# KiCad board TRX055.01.01.PB.00.00.kicad_pcb (continued)
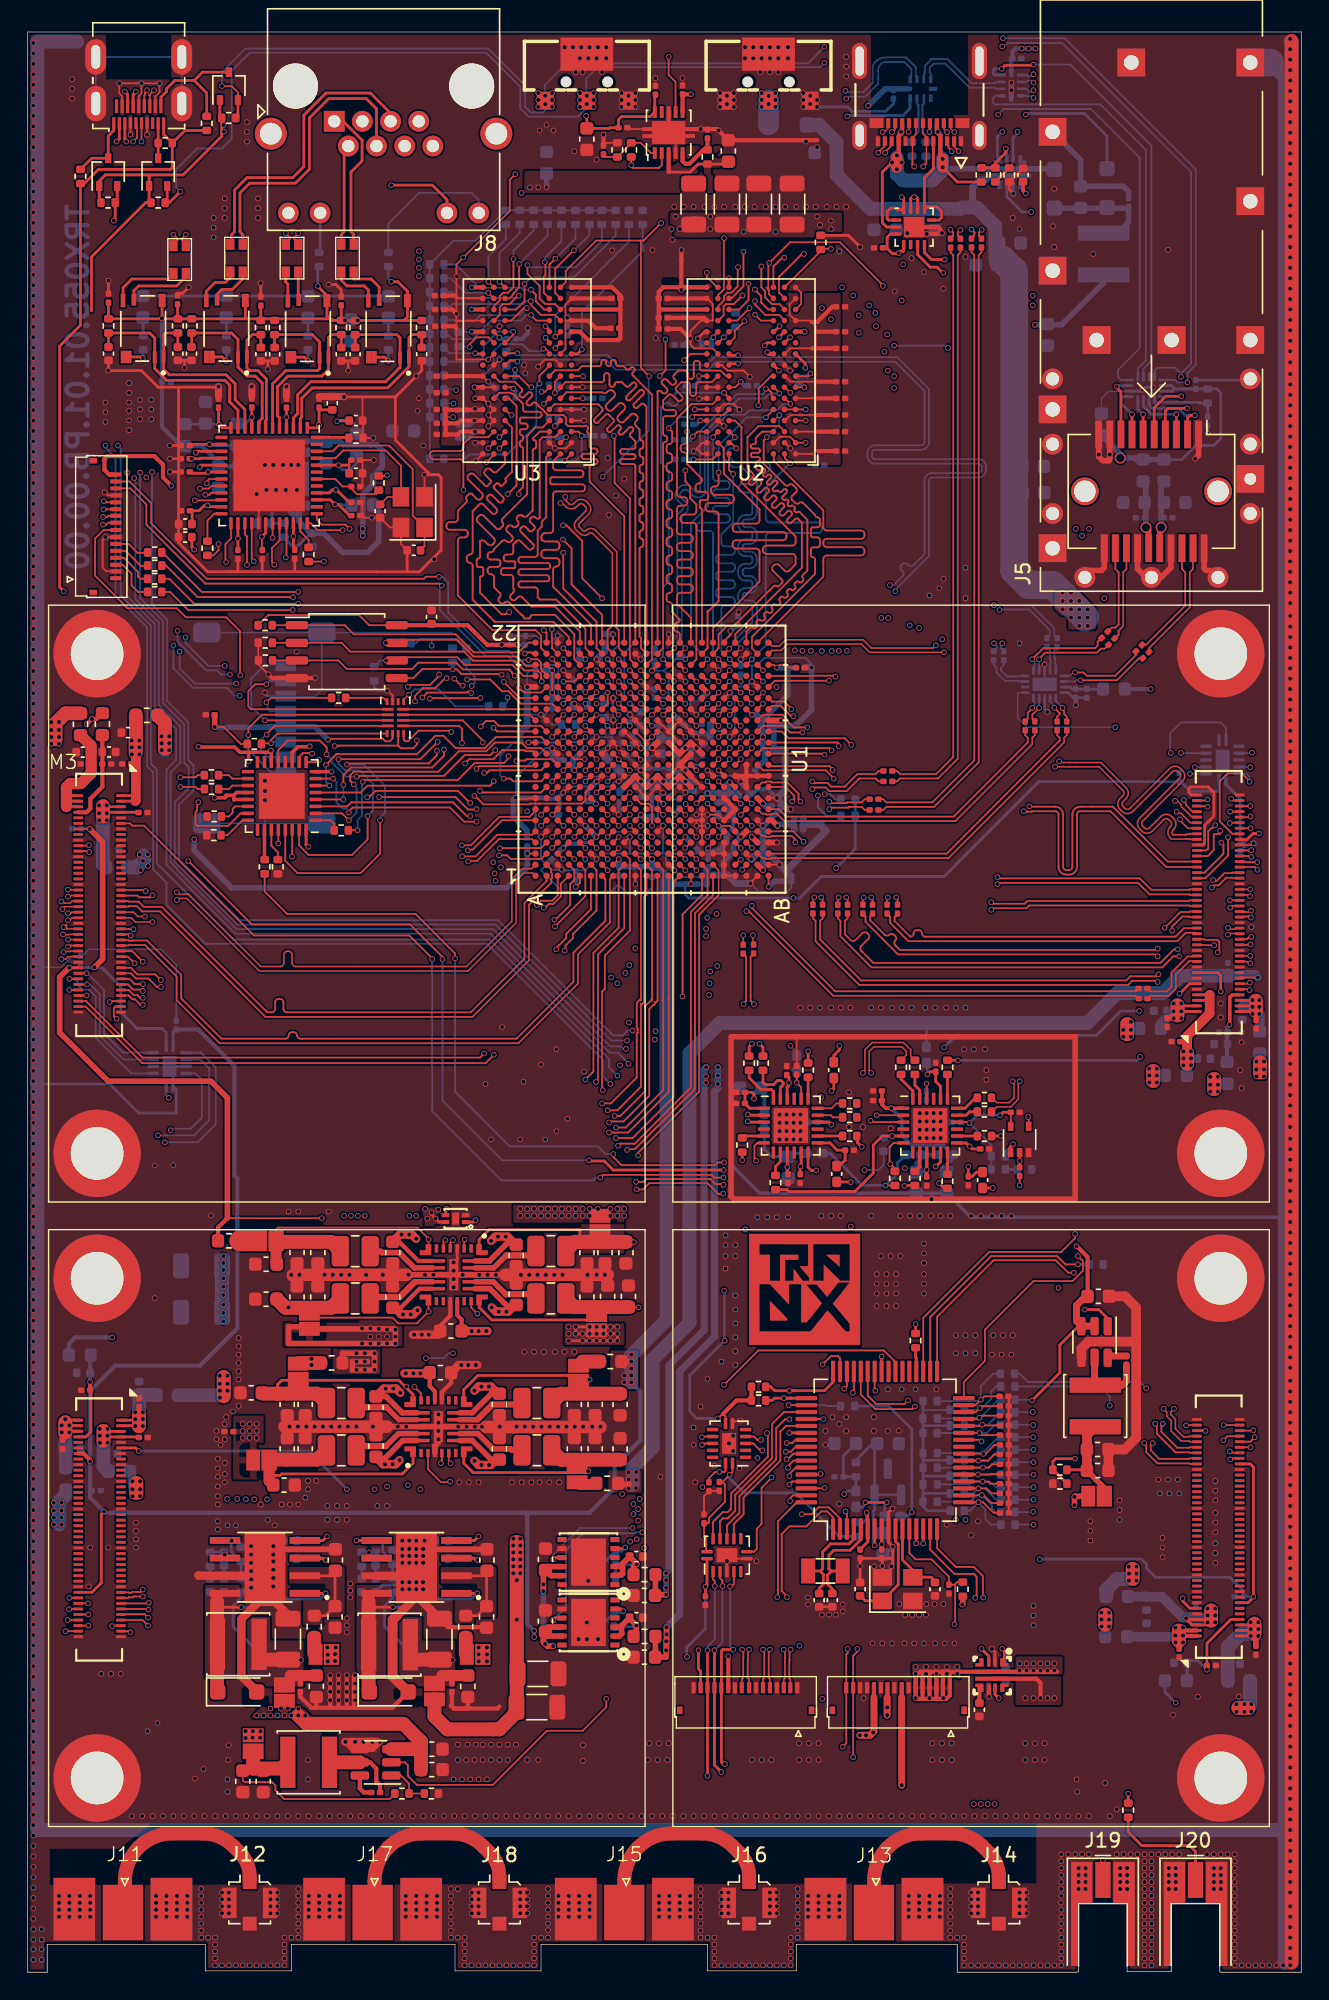
[diagram p0: board, top side]
## Nets
+1V2: C244.1 FB37.1 R5.1 U8.2 U8.3
+1V8: C25.1 C26.1 C27.1 C57.1 C58.1 C59.1 C60.1 C127.1 C128.1 C129.1 C130.1 C247.1 C248.1 C293.1 FB6.1 FB43.2 J10.16 JP4.2 R12.1 R69.1 R146.2 R151.2 R153.2 R155.2 R156.2 R157.1 R158.1 U1.A13 U1.B10 U1.B20 U1.C17 U1.D14 U1.E11 U1.K14 U1.L13 U1.M14 U1.P14 U1.R11 U5.10 U5.11 U8.10 U8.11 U10.15 U11.16 U11.34 U11.40 U12.8 U12.11 U12.14 U12.28 U12.30 U12.32 U14.8 U24.1 U33.8 U33.14
+3V3: C153.1 C154.1 C226.1 C231.1 C232.1 C273.1 C275.2 C276.2 C277.2 C278.2 C288.1 FB4.2 FB34.2 FB35.2 FB40.2 FB42.2 J6.4 JP7.2 Q1.1 Q2.1 Q3.1 R95.1 R103.1 R104.1 R106.1 R154.2 U9.10 U10.14 U12.20 U12.21 U12.23 U15.10 U20.10 U22.14 U22.15 U25.3 U25.4 U31.9 U31.10 U31.11
/Clocking/VDD_13F: C319.1 FB44.1 U13.20
/Clocking/VDD_18F: C318.1 FB43.1 U16.13
/Clocking/VDD_34F: C317.1 C320.1 FB41.1 U13.13 U16.20
/Clocking/VDD_35F: C321.1 FB45.1 U13.11
/Clocking/VDD_DIFF: C308.1 C309.1 C315.1 C316.1 C322.1 C383.2 FB42.1 R165.1 R166.1 U13.16 U13.22 U16.11 U16.16 U16.22 U28.5
/Main_Power/TPS5430DD_DCDC1/VIN: FB39.1 JP11.2
/Main_Power/TPS5430DD_DCDC/VIN: FB36.1 JP10.2
/ZynqPower/1V5_RAIL_A: FB7.1 JP8.2
/ZynqPower/VCCADC: C184.1 C185.1 FB11.2 U1.K12
/ZynqPower/VCCAUX: C36.1 C37.1 C38.1 C39.1 FB11.1 U1.N13 U1.P12 U1.R13 U1.T12 U24.4
/ZynqPower/VCCO_RAIL_A: FB9.1 JP5.2
/ZynqPower/VCCO_RAIL_B: FB8.1 JP6.2
/ZynqPower/VCCO_RAIL_C: FB10.1 JP1.2
/ZynqPower/VCCPLL: C50.1 FB6.2 U1.G13
AVDDH: C124.1 C125.1 C126.1 C325.1 FB3.1 U11.1 U11.12
AVDDL: C114.1 C115.1 C116.1 FB1.1 FB5.2 U11.4 U11.9
AVDDL_PLL: C112.1 C113.1 FB5.1 U11.44
DVDDL: C117.1 C118.1 C119.1 C120.1 C121.1 C122.1 C123.1 FB1.2 FB2.1 U11.14 U11.18 U11.23 U11.26 U11.30 U11.39
GND: C1.2 C2.2 C3.2 C4.2 C5.2 C6.2 C7.2 C8.2 C9.2 C10.2 C11.2 C12.2 C13.2 C14.2 C15.2 C16.2 C17.2 C18.2 C19.2 C20.2 C21.2 C22.2 C23.2 C24.2 C25.2 C26.2 C27.2 C28.2 C29.2 C30.2 C31.2 C32.2 C33.2 C34.2 C35.2 C36.2 C37.2 C38.2 C39.2 C40.2 C41.2 C42.2 C43.2 C44.2 C45.2 C46.2 C47.2 C48.2 C49.2 C50.2 C51.2 C52.2 C53.2 C54.2 C55.2 C56.2 C57.2 C58.2 C59.2 C60.2 C61.2 C62.2 C63.2 C64.2 C65.2 C66.2 C67.2 C68.2 C69.2 C70.2 C71.2 C72.2 C73.2 C74.2 C75.2 C76.2 C77.2 C78.2 C79.2 C80.2 C81.2 C82.2 C83.2 C84.2 C85.2 C86.2 C87.2 C108.2 C109.2 C110.2 C111.2 C112.2 C113.2 C114.2 C115.2 C116.2 C117.2 C118.2 C119.2 C120.2 C121.2 C122.2 C123.2 C124.2 C125.2 C126.2 C127.2 C128.2 C129.2 C130.2 C131.2 C132.2 C133.2 C135.2 C136.2 C137.2 C139.2 C140.2 C141.2 C143.2 C144.2 C145.2 C147.2 C148.2 C149.2 C150.2 C151.2 C152.2 C153.2 C154.2 C155.2 C156.2 C157.2 C158.2 C159.2 C160.2 C161.2 C162.2 C163.2 C164.2 C165.2 C166.2 C167.2 C168.2 C169.2 C170.2 C171.2 C172.2 C173.2 C174.2 C175.2 C176.2 C177.2 C178.2 C179.2 C180.2 C181.2 C182.2 C183.2 C184.2 C185.2 C186.2 C187.2 C188.2 C189.2 C190.2 C191.2 C192.2 C193.2 C194.2 C195.2 C196.2 C197.2 C198.2 C199.2 C200.2 C201.2 C202.2 C203.2 C204.2 C205.2 C206.2 C207.2 C208.2 C209.2 C210.2 C211.2 C212.2 C213.2 C214.2 C215.2 C216.2 C217.2 C218.2 C219.2 C220.2 C221.2 C222.2 C223.2 C224.2 C225.2 C226.2 C227.2 C228.2 C229.2 C230.2 C231.2 C232.2 C233.2 C234.2 C236.2 C238.2 C239.2 C240.2 C241.2 C242.2 C243.2 C244.2 C245.2 C246.2 C247.2 C248.2 C249.2 C250.2 C251.2 C252.2 C255.2 C256.2 C257.2 C258.2 C271.2 C272.2 C273.2 C274.2 C275.1 C276.1 C277.1 C278.1 C279.2 C280.2 C282.2 C283.2 C284.2 C285.2 C286.2 C287.1 C288.2 C289.2 C290.2 C291.2 C292.2 C293.2 C294.2 C295.2 C296.2 C297.2 C298.2 C299.2 C300.2 C301.2 C302.2 C303.2 C304.2 C305.2 C306.2 C307.2 C308.2 C309.2 C310.2 C311.2 C313.2 C314.2 C315.2 C316.2 C317.2 C318.2 C319.2 C320.2 C321.2 C322.2 C323.2 C324.2 C325.2 C326.2 C327.2 C328.2 C329.2 C330.2 C331.2 C332.2 C333.2 C334.2 C335.2 C336.2 C337.2 C338.2 C339.2 C340.2 C341.2 C342.2 C343.2 C344.2 C345.2 C346.2 C347.2 C348.2 C349.2 C350.2 C351.2 C352.2 C353.2 C354.2 C355.2 C356.2 C357.2 C358.2 C359.2 C360.2 C361.2 C362.2 C363.2 C364.2 C365.2 C366.2 C367.2 C368.2 C369.2 C370.2 C371.2 C372.2 C373.2 C374.2 C375.2 C376.2 C377.2 C378.2 C379.2 C380.2 C381.2 C383.1 C391.2 C395.2 C396.2 C397.2 D3.2 D4.2 J5.1 J5.9 J5.10 J5.11 J5.14 J5.17 J5.20 J5.CAGE J6.6 J6.9 J7.4 J7.7 J7.10 J7.13 J7.16 J7.SH J9.A1 J9.A12 J9.B1 J9.B12 J9.SH1 J9.SH2 J9.SH3 J9.SH4 J10.2 J10.7 J10.13 J11.2 J12.2 J13.2 J14.2 J15.2 J16.2 J17.2 J18.2 J19.2 J20.2 J21.1 J21.3 J21.4 J22.1 J22.4 J23.1 J23.4 J23.7 J23.10 J23.16 J24.7 J24.9 J24.11 J24.13 J24.14 M1.9 M1.13 M1.17 M1.18 M1.23 M1.24 M1.33 M1.34 M1.47 M1.48 M1.61 M1.62 M1.79 M1.80 M1.SH0 M1.SH1 M2.9 M2.13 M2.17 M2.18 M2.23 M2.24 M2.33 M2.34 M2.47 M2.48 M2.61 M2.62 M2.79 M2.80 M2.SH0 M2.SH1 M3.9 M3.13 M3.17 M3.18 M3.23 M3.24 M3.33 M3.34 M3.47 M3.48 M3.61 M3.62 M3.79 M3.80 M3.SH0 M3.SH1 M4.9 M4.13 M4.17 M4.18 M4.23 M4.24 M4.33 M4.34 M4.47 M4.48 M4.61 M4.62 M4.79 M4.80 M4.SH0 M4.SH1 R1.2 R3.2 R6.2 R8.2 R29.1 R49.2 R50.1 R51.1 R52.1 R54.1 R70.2 R72.2 R89.1 R91.2 R94.2 R96.2 R97.2 R100.2 R108.2 R112.2 R114.2 R116.2 R118.2 R120.2 R122.2 R124.2 R126.2 R128.2 R130.2 R132.2 R134.2 R136.2 R138.2 R140.2 R147.1 R148.1 R149.1 R150.1 R152.2 R159.1 R164.2 U1.A8 U1.A18 U1.AA1 U1.AA6 U1.AA10 U1.AA18 U1.AB2 U1.AB4 U1.AB8 U1.AB10 U1.AB15 U1.B5 U1.B15 U1.C2 U1.C12 U1.C22 U1.D9 U1.D19 U1.E6 U1.E16 U1.F3 U1.F13 U1.G10 U1.G12 U1.G20 U1.H7 U1.H13 U1.H15 U1.H17 U1.J4 U1.J10 U1.J12 U1.J14 U1.K1 U1.K9 U1.K11 U1.K13 U1.K15 U1.K21 U1.L8 U1.L10 U1.L11 U1.L14 U1.L18 U1.M5 U1.M9 U1.M12 U1.M13 U1.M15 U1.N2 U1.N10 U1.N14 U1.N22 U1.P9 U1.P11 U1.P13 U1.P15 U1.P19 U1.R6 U1.R10 U1.R12 U1.R14 U1.R16 U1.T3 U1.T4 U1.T5 U1.T6 U1.T7 U1.T9 U1.T13 U1.U3 U1.U10 U1.U20 U1.V1 U1.V2 U1.V3 U1.V4 U1.V6 U1.V8 U1.V17 U1.W1 U1.W7 U1.W10 U1.W14 U1.Y1 U1.Y3 U1.Y5 U1.Y9 U1.Y10 U1.Y11 U1.Y21 U2.A9 U2.B1 U2.B3 U2.B9 U2.D1 U2.D8 U2.E1 U2.E2 U2.E8 U2.F9 U2.G1 U2.G8 U2.G9 U2.J2 U2.J8 U2.M1 U2.M9 U2.P1 U2.P9 U2.T1 U2.T9 U3.A9 U3.B1 U3.B3 U3.B9 U3.D1 U3.D8 U3.E1 U3.E2 U3.E8 U3.F9 U3.G1 U3.G8 U3.G9 U3.J2 U3.J8 U3.M1 U3.M9 U3.P1 U3.P9 U3.T1 U3.T9 U4.4 U4.11 U4.17 U4.24 U4.27 U5.8 U5.13 U6.4 U6.11 U6.17 U6.24 U6.27 U7.7 U7.9 U8.8 U8.13 U9.5 U10.7 U11.29 U11.49 U12.33 U13.25 U14.4 U15.4 U15.8 U15.11 U16.25 U17.9 U18.3 U19.4 U19.7 U19.15 U20.5 U20.6 U21.4 U22.6 U23.4 U23.7 U23.15 U24.2 U24.5 U25.8 U25.9 U25.15 U26.3 U26.7 U26.12 U26.18 U26.19 U27.8 U28.3 U29.2 U29.8 U30.4 U31.8 U31.13 U32.4 U32.7 U32.15 U33.7 U33.15 U34.7 U34.9 Y1.2 Y1.4 Y2.2 Y2.4
GND_ETH: C134.2 C138.2 C142.2 C146.2
VCCIO_13: C82.1 C83.1 C84.1 C85.1 C86.1 C87.1 C218.1 C222.1 FB9.2 FB44.2 M1.14 M1.64 U1.AA13 U1.AB20 U1.T18 U1.U15 U1.V12 U1.W19 U1.Y16 U19.14
VCCIO_34: C76.1 C77.1 C78.1 C79.1 C80.1 C81.1 C219.1 C221.1 C223.1 C225.1 C290.1 FB8.2 FB41.2 J23.11 M2.14 M2.64 M4.14 M4.64 U1.H2 U1.K6 U1.L3 U1.N7 U1.P4 U1.R1 U19.1 U23.1 U32.1
VCCIO_35: C70.1 C71.1 C72.1 C73.1 C74.1 C75.1 C220.1 C224.1 FB10.2 FB45.2 M3.14 M3.64 U1.A3 U1.C7 U1.D4 U1.E1 U1.F8 U1.G5 U23.14
VDD_1V8D: FB26.2 FB27.2 FB28.2 FB29.2 J24.8
VDD_1V_RAIL_A: C51.1 C52.1 C53.1 C54.1 C55.1 C56.1 JP2.2 U1.G15 U1.H14 U1.J15 U1.L15 U1.N15 U1.R15
VDD_1V_RAIL_B: C28.1 C29.1 C30.1 C31.1 C32.1 C33.1 C34.1 C35.1 JP3.2 U1.H12 U1.J9 U1.J11 U1.J13 U1.K10 U1.L9 U1.M10 U1.N9 U1.P10 U1.R9
VDD_3V3D: FB30.2 FB31.2 FB32.2 FB33.2 J24.12 JP14.2 R135.1
VDD_5V5A: C310.1 C311.1 C396.1 C397.1 FB18.2 FB19.2 FB20.2 FB21.2 J7.19 J24.10 JP9.2 R101.1 R102.1 R105.1 R133.1 U21.3
VDD_DDR: C61.1 C62.1 C63.1 C64.1 C65.1 C66.1 C67.1 C68.1 C69.1 C331.1 C332.1 C333.1 C334.1 C335.1 C336.1 C337.1 C338.1 C339.1 C340.1 C341.1 C342.1 C343.1 C344.1 C345.1 C346.1 C347.1 C348.1 C349.1 C350.1 C351.1 C352.1 C353.1 C354.1 C355.1 C356.1 C357.1 C358.1 C359.1 C360.1 C361.1 C362.1 C363.1 C364.1 C365.1 C366.1 C367.1 C368.1 C378.1 C379.1 C380.1 C381.1 FB7.2 R53.2 R71.1 U1.E21 U1.F18 U1.H22 U1.J19 U1.K16 U1.M20 U1.N17 U1.R21 U1.V22 U2.A1 U2.A8 U2.B2 U2.C1 U2.C9 U2.D2 U2.D9 U2.E9 U2.F1 U2.G7 U2.H2 U2.H9 U2.K2 U2.K8 U2.N1 U2.N9 U2.R1 U2.R9 U3.A1 U3.A8 U3.B2 U3.C1 U3.C9 U3.D2 U3.D9 U3.E9 U3.F1 U3.G7 U3.H2 U3.H9 U3.K2 U3.K8 U3.N1 U3.N9 U3.R1 U3.R9 U15.2
VDD_DVDDL: C289.1 FB2.2 R107.1 U31.2 U31.3
VDD_MAIN_PWR: C369.1 C370.1 C371.1 C372.1 C373.1 C374.1 C375.1 C376.1 C377.1 D2.1 J24.1 J24.2 J24.3 J24.4 J24.5 J24.6 JP10.1 JP11.1 R129.1 U27.6 U29.5
VDD_MCU: C291.1 C292.1 FB16.1 JP13.2 R109.1 R110.1 R143.1 U32.14 U33.1
VDD_PORT: C133.1 C137.1 C141.1 C145.1 C178.1 C324.1 C326.1 FB3.2 FB4.1 R55.1 R58.1 R60.1 R61.1 R63.1 R64.1 R66.1 R67.1 R160.1 R161.1 T1.5 T2.5 T3.5 T4.5
VDD_SYSTEM: FB22.2 FB23.2 FB24.2 FB25.2 U29.6
VDD_VTT: C148.1 C149.1 C150.1 R9.2 R10.2 R11.2 R13.2 R15.2 R16.2 R30.2 R31.2 R32.2 R33.2 R34.2 R35.2 R36.2 R37.2 R38.2 R39.2 R40.2 R41.2 R42.2 R43.2 R44.2 R45.2 R46.2 R47.2 R73.2 U15.3
/A1_HS1_CLK_N: M1.22 U1.AA14
/A1_HS1_CLK_P: M1.20 U1.AA15
/A1_HS_4_N: M1.36 U1.AA11
/A1_HS_4_P: M1.38 U1.AB11
/A1_HS_5_N: M1.35 U1.V11
/A1_HS_5_P: M1.37 U1.W11
/A1_HS_6_N: M1.40 U1.W12
/A1_HS_6_P: M1.42 U1.W13
/A1_HS_7_N: M1.39 U1.AB12
/A1_HS_7_P: M1.41 U1.AA12
/A1_HS_8_N: M1.44 U1.AB13
/A1_HS_8_P: M1.46 U1.AB14
/A1_HS_9_N: M1.43 U1.Y12
/A1_HS_9_P: M1.45 U1.Y13
/A1_HS_10_N: M1.50 U1.V15
/A1_HS_10_P: M1.52 U1.W15
/A1_HS_11_N: M1.49 U1.AA17
/A1_HS_11_P: M1.51 U1.AA16
/A1_HS_12_N: M1.54 U1.V16
/A1_HS_12_P: M1.56 U1.W16
/A1_HS_13_N: M1.53 U1.W17
/A1_HS_13_P: M1.55 U1.Y17
/A1_HS_14_N: M1.58 U1.AB16
/A1_HS_14_P: M1.60 U1.AB17
/A1_HS_15_N: M1.57 U1.AB21
/A1_HS_15_P: M1.59 U1.AB22
/A1_HS_16_N: M1.65 U1.AB19
/A1_HS_16_P: M1.63 U1.AB18
/A1_HS_17_N: M1.69 U1.AA20
/A1_HS_17_P: M1.67 U1.AA19
/A1_HS_18_N: M1.73 U1.V19
/A1_HS_18_P: M1.71 U1.U19
/A1_LS_GPIO_0: M1.72 U1.U12
/A1_LS_GPIO_1: M1.74 U1.V14
/A1_LS_GPIO_2: M1.76 U1.T16
/A1_LS_GPIO_3: M1.78 U1.U16
/A1_SPI_EN: U1.M8 U19.8
/A2_HS0_CLK_N: M2.21
/A2_HS0_CLK_P: M2.19
/A2_HS1_CLK_N: M2.22
/A2_HS1_CLK_P: M2.20
/A2_HS_0_N: M2.26
/A2_HS_0_P: M2.28
/A2_HS_1_N: M2.25
/A2_HS_1_P: M2.27
/A2_HS_2_N: M2.30
/A2_HS_2_P: M2.32
/A2_HS_3_N: M2.29
/A2_HS_3_P: M2.31
/A2_HS_4_N: M2.36
/A2_HS_4_P: M2.38
/A2_HS_5_N: M2.35
/A2_HS_5_P: M2.37
/A2_HS_6_N: M2.40
/A2_HS_6_P: M2.42
/A2_HS_7_N: M2.39
/A2_HS_7_P: M2.41
/A2_HS_8_N: M2.44
/A2_HS_8_P: M2.46
/A2_HS_9_N: M2.43
/A2_HS_9_P: M2.45
/A2_HS_10_N: M2.50
/A2_HS_10_P: M2.52
/A2_HS_11_N: M2.49
/A2_HS_11_P: M2.51
/A2_HS_12_N: M2.54
/A2_HS_12_P: M2.56
/A2_HS_13_N: M2.53
/A2_HS_13_P: M2.55
/A2_HS_14_N: M2.58
/A2_HS_14_P: M2.60
/A2_HS_15_N: M2.57
/A2_HS_15_P: M2.59
/A2_HS_16_N: M2.65 U1.R3
/A2_HS_16_P: M2.63 U1.R2
/A2_HS_17_N: M2.69 U1.R5
/A2_HS_17_P: M2.67 U1.R4
/A2_HS_18_N: M2.73 U1.R7
/A2_HS_18_P: M2.71 U1.P7
/A2_LS_GPIO_0: M2.72 U1.J7
/A2_LS_GPIO_1: M2.74 U1.N6
/A2_LS_GPIO_2: M2.76 U1.N5
/A2_LS_GPIO_3: M2.78 U1.P6
/A3_HS0_CLK_N: M3.21
/A3_HS0_CLK_P: M3.19
/A3_HS1_CLK_N: M3.22 U1.C6
/A3_HS1_CLK_P: M3.20 U1.C5
/A3_HS_0_N: M3.26
/A3_HS_0_P: M3.28
/A3_HS_1_N: M3.25
/A3_HS_1_P: M3.27
/A3_HS_2_N: M3.30
/A3_HS_2_P: M3.32
/A3_HS_3_N: M3.29
/A3_HS_3_P: M3.31
/A3_HS_4_N: M3.36 U1.D5
/A3_HS_4_P: M3.38 U1.C4
/A3_HS_5_N: M3.35 U1.E5
/A3_HS_5_P: M3.37 U1.F5
/A3_HS_6_N: M3.40 U1.A2
/A3_HS_6_P: M3.42 U1.A1
/A3_HS_7_N: M3.39 U1.B1
/A3_HS_7_P: M3.41 U1.B2
/A3_HS_8_N: M3.44 U1.C1
/A3_HS_8_P: M3.46 U1.D1
/A3_HS_9_N: M3.43 U1.C3
/A3_HS_9_P: M3.45 U1.D3
/A3_HS_10_N: M3.50 U1.D2
/A3_HS_10_P: M3.52 U1.E2
/A3_HS_11_N: M3.49 U1.E4
/A3_HS_11_P: M3.51 U1.E3
/A3_HS_12_N: M3.54 U1.F1
/A3_HS_12_P: M3.56 U1.F2
/A3_HS_13_N: M3.53 U1.G1
/A3_HS_13_P: M3.55 U1.H1
/A3_HS_14_N: M3.58 U1.F4
/A3_HS_14_P: M3.60 U1.G4
/A3_HS_15_N: M3.57 U1.G2
/A3_HS_15_P: M3.59 U1.G3
/A3_HS_16_N: M3.65 U1.H4
/A3_HS_16_P: M3.63 U1.H3
/A3_HS_17_N: M3.69 U1.G6
/A3_HS_17_P: M3.67 U1.F6
/A3_HS_18_N: M3.73 U1.G8
/A3_HS_18_P: M3.71 U1.G7
/A3_LS_GPIO_0: M3.72 U1.H6
/A3_LS_GPIO_1: M3.74 U1.H5
/A3_LS_GPIO_2: M3.76 U1.D7
/A3_LS_GPIO_3: M3.78 U1.D6
/A3_SPI_EN: U1.K8 U23.8
/A4_HS0_CLK_N: M4.21
/A4_HS0_CLK_P: M4.19
/A4_HS1_CLK_N: M4.22
/A4_HS1_CLK_P: M4.20
/A4_HS_0_N: M4.26
/A4_HS_0_P: M4.28
/A4_HS_1_N: M4.25
/A4_HS_1_P: M4.27
/A4_HS_2_N: M4.30
/A4_HS_2_P: M4.32
/A4_HS_3_N: M4.29
/A4_HS_3_P: M4.31
/A4_HS_4_N: M4.36
/A4_HS_4_P: M4.38
/A4_HS_5_N: M4.35
/A4_HS_5_P: M4.37
/A4_HS_6_N: M4.40
/A4_HS_6_P: M4.42
/A4_HS_7_N: M4.39
/A4_HS_7_P: M4.41
/A4_HS_8_N: M4.44
/A4_HS_8_P: M4.46
/A4_HS_9_N: M4.43
/A4_HS_9_P: M4.45
/A4_HS_10_N: M4.50
/A4_HS_10_P: M4.52
/A4_HS_11_N: M4.49
/A4_HS_11_P: M4.51
/A4_HS_12_N: M4.54
/A4_HS_12_P: M4.56
/A4_HS_13_N: M4.53
/A4_HS_13_P: M4.55
/A4_HS_14_N: M4.58
/A4_HS_14_P: M4.60
/A4_HS_15_N: M4.57
/A4_HS_15_P: M4.59
/A4_HS_16_N: M4.65 U1.L2
/A4_HS_16_P: M4.63 U1.L1
/A4_HS_17_N: M4.69 U1.M2
/A4_HS_17_P: M4.67 U1.M1
/A4_HS_18_N: M4.73 U1.P1
/A4_HS_18_P: M4.71 U1.N1
/A4_LS_GPIO_0: M4.72 U1.K2
/A4_LS_GPIO_1: M4.74 U1.T2
/A4_LS_GPIO_2: M4.76 U1.U1
/A4_LS_GPIO_3: M4.78 U1.U2
/Clocking/CLK_PWR: FB13.1 FB14.1 R142.1
/Clocking/CLK_PWR_VBAT: R142.2 U13.6 U16.6
/Clocking/CLK_REF_IN: R87.2 R90.2
/Clocking/DIFF_A_CLK_1_N: R25.2
/Clocking/DIFF_A_CLK_1_P: R24.2
/Clocking/EXT_REF_EN: R166.2 U17.41 U28.1
/ETH_PHY_Metal/ETH_Pair1/MDI_IN_N: C135.1 R60.2 T2.2 U11.8
/ETH_PHY_Metal/ETH_Pair1/MDI_IN_P: C136.1 R61.2 T2.1 U11.7
/ETH_PHY_Metal/ETH_Pair1/MDI_N: J8.5 L10.2
/ETH_PHY_Metal/ETH_Pair1/MDI_P: J8.4 L10.3
/ETH_PHY_Metal/ETH_Pair1/POE: R62.1 T2.3 T2.4
/ETH_PHY_Metal/ETH_Pair2/MDI_IN_N: C139.1 R63.2 T3.2 U11.6
/ETH_PHY_Metal/ETH_Pair2/MDI_IN_P: C140.1 R64.2 T3.1 U11.5
/ETH_PHY_Metal/ETH_Pair2/MDI_N: J8.6 L11.2
/ETH_PHY_Metal/ETH_Pair2/MDI_P: J8.3 L11.3
/ETH_PHY_Metal/ETH_Pair2/POE: R65.1 T3.3 T3.4
/ETH_PHY_Metal/ETH_Pair3/MDI_IN_N: C143.1 R66.2 T4.2 U11.3
/ETH_PHY_Metal/ETH_Pair3/MDI_IN_P: C144.1 R67.2 T4.1 U11.2
/ETH_PHY_Metal/ETH_Pair3/MDI_N: J8.2 L12.2
/ETH_PHY_Metal/ETH_Pair3/MDI_P: J8.1 L12.3
/ETH_PHY_Metal/ETH_Pair3/POE: R68.1 T4.3 T4.4
/ETH_PHY_Metal/ETH_Pair/MDI_IN_N: C131.1 R55.2 T1.2 U11.11
/ETH_PHY_Metal/ETH_Pair/MDI_IN_P: C132.1 R58.2 T1.1 U11.10
/ETH_PHY_Metal/ETH_Pair/MDI_N: J8.8 L9.2
/ETH_PHY_Metal/ETH_Pair/MDI_P: J8.7 L9.3
/ETH_PHY_Metal/ETH_Pair/POE: R59.1 T1.3 T1.4
/ETH_PHY_Metal/nLED1: J8.11 U11.17
/ETH_PHY_Metal/nLED2: J8.9 U11.15
/ETH_PHY_Metal/SMI_MDC: U1.D13 U11.36
/ETH_PHY_Metal/SMI_MDIO: U1.C11 U11.37
/EXTIO_CLK_N: J23.9 U1.L4
/EXTIO_CLK_P: J23.8 U1.L5
/EXTIO_CS: J23.15 U1.K5
/EXTIO_D0_N: J23.6 U1.N3
/EXTIO_D0_P: J23.5 U1.N4
/EXTIO_D1_N: J23.3 U1.P2
/EXTIO_D1_P: J23.2 U1.P3
/FCCLK: U4.3 U6.3 U17.39
/FPGA_CLK_REF_0: R77.2 R163.2 U1.T1 U13.5
/FPGA_CLK_REF_1_N: R78.2 U1.K3
/FPGA_CLK_REF_1_P: R79.2 U1.K4
/GT_LANE0_SEL: U17.35 U26.6
/GT_RX0_N: C91.1 U26.5
/GT_RX0_P: C90.1 U26.4
/GT_RX1_N: C89.1 C269.1
/GT_RX1_P: C88.1 C270.1
/GT_RX2_N: C93.1 M1.29
/GT_RX2_P: C92.1 M1.31
/GT_RX3_N: C95.1 M1.30
/GT_RX3_P: C94.1 M1.32
/GT_TX0_N: C97.1 U26.2
/GT_TX0_P: C96.1 U26.1
/GT_TX1_N: C98.1 C268.1
/GT_TX1_P: C99.1 C267.1
/GT_TX2_N: C100.1 M1.25
/GT_TX2_P: C101.1 M1.27
/GT_TX3_N: C102.1 M1.26
/GT_TX3_P: C103.1 M1.28
/GTP_REF_CLK0_N: C106.1 M1.21
/GTP_REF_CLK0_P: C104.1 M1.19
/GTP_REF_CLK1_N: C105.1 R22.2
/GTP_REF_CLK1_P: C107.1 R23.2
/HDMI/HDMI_HPD: Q3.2 R106.2 U17.59
/Main_Power/BOOT_PWR: C286.1 C287.2 D1.1 D5.1 L16.1
/Main_Power/OVLO: R98.1 R99.1 U27.2
/Main_Power/TPS5430DD_DCDC1/FB: R93.2 R94.1 U7.5
/Main_Power/TPS5430DD_DCDC1/TPSSW: C253.2 D3.1 L13.1 U7.8
/Main_Power/TPS5430DD_DCDC1/TPSVIN: C249.1 C250.1 FB39.2 U7.2
/Main_Power/TPS5430DD_DCDC1/TPSVOUT: C256.1 C257.1 C258.1 JP12.1 L13.2 R93.1
/Main_Power/TPS5430DD_DCDC/FB: R2.2 R3.1 U34.5
/Main_Power/TPS5430DD_DCDC/TPSSW: C235.2 D4.1 L17.1 U34.8
/Main_Power/TPS5430DD_DCDC/TPSVIN: C233.1 C234.1 FB36.2 U34.2
/Main_Power/TPS5430DD_DCDC/TPSVOUT: C236.1 C238.1 C239.1 JP9.1 L17.2 R2.1
/MOD_A1_REFCLK: M1.11 R82.2
/MOD_A2_REFCLK: M2.11 R84.2
/MOD_A3_REFCLK: M3.11 R83.2
/MOD_A4_REFCLK: M4.11 R74.2
/Module_A1/MOD_SPI_MISO: M1.68 U19.10
/Module_A1/MOD_SPI_MOSI: M1.70 U19.12
/Module_A1/MOD_SPI_SCK: M1.66 U19.13
/Module_A1/MOD_VDD_1V8D: C202.1 C203.1 FB26.1 M1.8
/Module_A1/MOD_VDD_3V3: C210.1 C211.1 FB30.1 M1.5 M1.7
/Module_A1/MOD_VDD_SYSTEM: C194.1 C195.1 FB22.1 M1.2 M1.4 M1.6
/Module_A1/MOD_VDDA_5V5: C186.1 C187.1 FB18.1 M1.1 M1.3
/Module_A1/RefCLK1: M1.15
/Module_A2/APP_SPEC_A: M2.10
/Module_A2/APP_SPEC_B: M2.12
/Module_A2/MOD_VDD_1V8D: C204.1 C205.1 FB27.1 M2.8
/Module_A2/MOD_VDD_3V3: C212.1 C213.1 FB31.1 M2.5 M2.7
/Module_A2/MOD_VDD_SYSTEM: C196.1 C197.1 FB23.1 M2.2 M2.4 M2.6
/Module_A2/MOD_VDDA_5V5: C188.1 C189.1 FB19.1 M2.1 M2.3
/Module_A2/RefCLK1: M2.15
/Module_A3/APP_SPEC_A: M3.10
/Module_A3/APP_SPEC_B: M3.12
/Module_A3/MOD_SPI_MISO: M3.68 U23.10
/Module_A3/MOD_SPI_MOSI: M3.70 U23.12
/Module_A3/MOD_SPI_SCK: M3.66 U23.13
/Module_A3/MOD_VDD_1V8D: C206.1 C207.1 FB28.1 M3.8
/Module_A3/MOD_VDD_3V3: C214.1 C215.1 FB32.1 M3.5 M3.7
/Module_A3/MOD_VDD_SYSTEM: C198.1 C199.1 FB24.1 M3.2 M3.4 M3.6
/Module_A3/MOD_VDDA_5V5: C190.1 C191.1 FB20.1 M3.1 M3.3
/Module_A3/RefCLK1: M3.15
/Module_A4/APP_SPEC_A: M4.10
/Module_A4/APP_SPEC_B: M4.12
/Module_A4/MOD_VDD_1V8D: C208.1 C209.1 FB29.1 M4.8
/Module_A4/MOD_VDD_3V3: C216.1 C217.1 FB33.1 M4.5 M4.7
/Module_A4/MOD_VDD_SYSTEM: C200.1 C201.1 FB25.1 M4.2 M4.4 M4.6
/Module_A4/MOD_VDDA_5V5: C192.1 C193.1 FB21.1 M4.1 M4.3
/Module_A4/RefCLK1: M4.15
/PS_UART0_RX: J10.14 U1.G16
/PS_UART0_TX: J10.15 U1.B19
/PS_UART1_RX: U1.A17 U33.11
/PS_UART1_TX: U1.C18 U33.10
/PWR_3V3D_EN: U17.42 U21.2
/PWR_5V5A_EN: R1.1 U17.14 U34.3
/PWR_CORE_EN: R91.1 U7.3 U17.13
/PWR_MAIN_EN: R97.1 U17.34 U27.1
/PWR_MAIN_IMON: U17.32 U27.9
/PWR_MAIN_PG: U17.33 U27.3
/PWR_MP_EN: R96.1 U17.16 U29.1
/PWR_MP_IMON: U17.26 U29.9
/PWR_MP_PG: U17.15 U29.3
/SFP_Port/MOD_DEF0: J5.6 U22.4
/SFP_Port/MOD_RS: J5.7 U22.5
/SFP_Port/MOD_RX_DIS: J5.8 U22.7
/SFP_Port/MOD_TX_DIS: J5.3 U22.3
/SFP_Port/MOD_TX_FAULT: J5.2 U22.2
/SFP_Port/SFP_RX_N: C260.2 U26.10
/SFP_Port/SFP_RX_P: C259.2 U26.11
/SFP_Port/SFP_TX_N: C262.2 U26.16
/SFP_Port/SFP_TX_P: C261.2 U26.15
/SFP_Port/SFPI_RX_N: C260.1 J5.12
/SFP_Port/SFPI_RX_P: C259.1 J5.13
/SFP_Port/SFPI_TX_N: C262.1 J5.19
/SFP_Port/SFPI_TX_P: C261.1 J5.18
/SMU/ADC1_IN0: C295.1 R111.2 R112.1 U17.17
/SMU/ADC1_IN1: C296.1 R113.2 R114.1 U17.18
/SMU/ADC1_IN2: C297.1 R115.2 R116.1 U17.19
/SMU/ADC1_IN3: C298.1 R117.2 R118.1 U17.20
/SMU/ADC1_IN4: C299.1 R119.2 R120.1 U17.21
/SMU/ADC1_IN5: C300.1 R121.2 R122.1 U17.22
/SMU/ADC1_IN6: C301.1 R123.2 R124.1 U17.23
/SMU/ADC1_IN7: C302.1 R125.2 R126.1 U17.24
/SMU/ADC1_IN8: C303.1 R127.2 R128.1 U17.27
/SMU/ADC1_IN9: C304.1 R129.2 R130.1 U17.28
/SMU/ADC1_IN10: C305.1 R131.2 R132.1 U17.29
/SMU/ADC1_IN11: C306.1 R133.2 R134.1 U17.30
/SMU/ADC1_IN15: C307.1 R135.2 R136.1 U17.31
/SMU/ADCIN18: U17.25
/SMU/DBG_SMU_SWCLK: J10.9 U17.46
/SMU/DBG_SMU_SWDIO: J10.10 U17.45
/SMU/GPIO0: U4.20 U6.20 U17.2
/SMU/GPIO2: U15.7 U17.58
/SMU/GPIO3: R157.2 U1.B18 U17.49
/SMU/GPIO4: R158.2 U1.C14 U17.48
/SMU/GPIO9: U8.9 U17.3
/SMU/GPIO10: U5.9 U17.52
/SMU/GPIO11: U17.47 U24.3
/SMU/I2C1_SCL_A: U6.5 U16.3 U17.60
/SMU/I2C1_SCl_B: U4.6 U13.2 U17.62
/SMU/I2C1_SDA_A: U6.6 U16.2 U17.61
/SMU/I2C1_SDA_B: U4.5 U13.3 U17.63
/SMU/nRST: C294.1 J10.8 R110.2 U17.12
/SMU/SPI2_MISO: U17.53 U32.10
/SMU/SPI2_MOSI: U17.54 U32.13
/SMU/SPI2_NSS: R109.2 U17.50 U32.11
/SMU/SPI2_SCK: U17.51 U32.12
/SMU/USART2_RX: U17.56 U33.5
/SMU/USART2_TX: U17.55 U33.4
/SMU/USART3_RX: J10.12 U17.1
/SMU/USART3_TX: J10.11 U17.64
/SMU/VREF: C323.1 R86.1 U17.7 U18.1 U18.2
/SMU_CS: U1.J6 U32.8
/SYS_I2C_SCL: J5.5 J22.2 J24.16 M1.77 M2.77 M3.77 M4.77 Q1.2 R103.2 U17.43 U22.12 U25.6
/SYS_I2C_SDA: J5.4 J22.3 J24.15 M1.75 M2.75 M3.75 M4.75 Q2.2 R104.2 U17.44 U22.13 U25.7
/SYS_MISO: J23.12 M2.68 M4.68 U1.J1 U19.5 U23.5 U32.5
/SYS_MOSI: J23.14 M2.70 M4.70 U1.J2 U19.3 U23.3 U32.2
/SYS_SCK: J23.13 M2.66 M4.66 U1.J3 U19.2 U23.2 U32.3
/TMDS_CLK_N: J7.14 U1.A7
/TMDS_CLK_P: J7.12 U1.A6
/TMDS_D0_N: J7.11 U1.A5
/TMDS_D0_P: J7.9 U1.A4
/TMDS_D1_N: J7.8 U1.B7
/TMDS_D1_P: J7.6 U1.B6
/TMDS_D2_N: J7.5 U1.B4
/TMDS_D2_P: J7.3 U1.B3
/ULPI_REF_CLK_24M: R75.2 U12.26
/ULPI_RESET: R89.2 U12.27
/USB_C/USB_CC1: J9.A5 U25.10 U25.11
/USB_C/USB_CC2: J9.B5 U25.1 U25.14
/USB_C/USB_IM_N: U9.7 U20.4
/USB_C/USB_IM_P: U9.8 U20.3
/USB_C/USB_RX1_N: C266.2 J9.B10
/USB_C/USB_RX1_P: C264.2 J9.B11
/USB_C/USB_RX2_N: C270.2 J9.A10
/USB_C/USB_RX2_P: C269.2 J9.A11
/USB_C/USB_TX1_N: C265.2 J9.A3
/USB_C/USB_TX1_P: C263.2 J9.A2
/USB_C/USB_TX2_N: C268.2 J9.B3
/USB_C/USB_TX2_P: C267.2 J9.B2
/USB_C/USBC_DM: J9.A7 J9.B6 R17.1
/USB_C/USBC_DP: J9.A6 J9.B7 R14.1
/USB_C/VCONN: U25.12 U25.13
/USB_N: R28.1 U20.1
/USB_P: R27.1 U20.2
/USB_REF_CLK_N: R80.2 U9.4
/USB_REF_CLK_P: R81.2 U9.3
/USB_RX2_N: C266.1 U26.8
/USB_RX2_P: C264.1 U26.9
/USB_SPEC_N: M1.10 U9.1
/USB_SPEC_P: M1.12 U9.2
/USB_SW_S1: U20.9 U22.8
/USB_SW_S2: U9.9 U22.10
/USB_SW_S2_OE: U9.6 U22.9
/USB_TX2_N: C265.1 U26.14
/USB_TX2_P: C263.1 U26.13
/USB_VUSB: D1.2 J9.A4 J9.A9 J9.B4 J9.B9 R98.2 U25.2 U27.5
/ZYNQ_Bank_112/REFCLK0_N: C106.2 U1.V9
/ZYNQ_Bank_112/REFCLK0_P: C104.2 U1.U9
/ZYNQ_Bank_112/REFCLK1_N: C107.2 U1.V5
/ZYNQ_Bank_112/REFCLK1_P: C105.2 U1.U5
/ZYNQ_Bank_112/RX0_N: C91.2 U1.AB7
/ZYNQ_Bank_112/RX0_P: C90.2 U1.AA7
/ZYNQ_Bank_112/RX1_N: C89.2 U1.Y8
/ZYNQ_Bank_112/RX1_P: C88.2 U1.W8
/ZYNQ_Bank_112/RX2_N: C93.2 U1.AB9
/ZYNQ_Bank_112/RX2_P: C92.2 U1.AA9
/ZYNQ_Bank_112/RX3_N: C95.2 U1.Y6
/ZYNQ_Bank_112/RX3_P: C94.2 U1.W6
/ZYNQ_Bank_112/TX0_N: C97.2 U1.AB3
/ZYNQ_Bank_112/TX0_P: C96.2 U1.AA3
/ZYNQ_Bank_112/TX1_N: C98.2 U1.Y4
/ZYNQ_Bank_112/TX1_P: C99.2 U1.W4
/ZYNQ_Bank_112/TX2_N: C100.2 U1.AB5
/ZYNQ_Bank_112/TX2_P: C101.2 U1.AA5
/ZYNQ_Bank_112/TX3_N: C102.2 U1.Y2
/ZYNQ_Bank_112/TX3_P: C103.2 U1.W2
/Zynq_PSMIO/MIO_QSPI_CS: R151.1 U1.A22 U14.1
/Zynq_PSMIO/MIO_QSPI_FB: R153.1 U1.D18 U1.E18
/Zynq_PSMIO/MIO_QSPI_IO0: R149.2 U1.A21 U14.5
/Zynq_PSMIO/MIO_QSPI_IO1: R148.2 U1.F17 U14.2
/Zynq_PSMIO/MIO_QSPI_IO2: R147.2 U1.E19 U14.3
/Zynq_PSMIO/MIO_QSPI_IO3: R146.1 U1.A20 U14.7
/Zynq_PSMIO/MIO_QSPI_SCLK: R150.2 U1.A19 U14.6
/Zynq_PSMIO/MIO_RGMII_RX0: U1.F9 U11.32
/Zynq_PSMIO/MIO_RGMII_RX1: U1.A14 U11.31
/Zynq_PSMIO/MIO_RGMII_RX2: U1.B9 U11.28
/Zynq_PSMIO/MIO_RGMII_RX3: U1.F10 U11.27
/Zynq_PSMIO/MIO_RGMII_RX_CLK: R56.1 U1.B11
/Zynq_PSMIO/MIO_RGMII_RX_CTL: U1.C10 U11.33
/Zynq_PSMIO/MIO_RGMII_TX0: U1.E15 U11.19
/Zynq_PSMIO/MIO_RGMII_TX1: U1.A12 U11.20
/Zynq_PSMIO/MIO_RGMII_TX2: U1.F14 U11.21
/Zynq_PSMIO/MIO_RGMII_TX3: U1.C16 U11.22
/Zynq_PSMIO/MIO_RGMII_TX_CLK: R57.1 U1.A11
/Zynq_PSMIO/MIO_RGMII_TX_CTL: U1.G11 U11.25
/Zynq_PSMIO/MIO_SD_CLK: R145.2 U1.D17
/Zynq_PSMIO/MIO_SD_CMD: U1.E14 U10.16
/Zynq_PSMIO/MIO_SD_D0: U1.A16 U10.4
/Zynq_PSMIO/MIO_SD_D1: U1.E13 U10.2
/Zynq_PSMIO/MIO_SD_D2: U1.A15 U10.3
/Zynq_PSMIO/MIO_SD_D3: U1.F12 U10.1
/Zynq_PSMIO/MIO_ULPI_CLK: R26.2 U1.D12
/Zynq_PSMIO/MIO_ULPI_D0: U1.E10 U12.3
/Zynq_PSMIO/MIO_ULPI_D1: U1.B14 U12.4
/Zynq_PSMIO/MIO_ULPI_D2: U1.D11 U12.5
/Zynq_PSMIO/MIO_ULPI_D3: U1.B13 U12.6
/Zynq_PSMIO/MIO_ULPI_D4: U1.E9 U12.7
/Zynq_PSMIO/MIO_ULPI_D5: U1.C9 U12.9
/Zynq_PSMIO/MIO_ULPI_D6: U1.D10 U12.10
/Zynq_PSMIO/MIO_ULPI_D7: U1.C13 U12.13
/Zynq_PSMIO/MIO_ULPI_DIR: U1.C15 U12.31
/Zynq_PSMIO/MIO_ULPI_NXT: U1.B12 U12.2
/Zynq_PSMIO/MIO_ULPI_STP: U1.D15 U12.29
/Zynq_PSMIO/USB_VBUS: R88.1
/ZYNQ_REF_CLK: R76.2 R159.2 U1.F16
/ZynqConfig/JTAG_TCK: R18.1 U1.H11
/ZynqConfig/JTAG_TDI: R20.1 U1.H9
/ZynqConfig/JTAG_TDO: R21.1 U1.G9
/ZynqConfig/JTAG_TMS: R19.1 U1.H10
/ZynqDDR/DDR_A0: R41.1 U1.M19 U2.N3 U3.N3
/ZynqDDR/DDR_A1: R35.1 U1.M18 U2.P7 U3.P7
/ZynqDDR/DDR_A2: R11.1 U1.K19 U2.P3 U3.P3
/ZynqDDR/DDR_A3: R40.1 U1.L19 U2.N2 U3.N2
/ZynqDDR/DDR_A4: R36.1 U1.K17 U2.P8 U3.P8
/ZynqDDR/DDR_A5: R33.1 U1.K18 U2.P2 U3.P2
/ZynqDDR/DDR_A6: R30.1 U1.J16 U2.R8 U3.R8
/ZynqDDR/DDR_A7: R38.1 U1.J17 U2.R2 U3.R2
/ZynqDDR/DDR_A8: R16.1 U1.J18 U2.T8 U3.T8
/ZynqDDR/DDR_A9: R37.1 U1.H18 U2.R3 U3.R3
/ZynqDDR/DDR_A10: R10.1 U1.J20 U2.L7 U3.L7
/ZynqDDR/DDR_A11: R31.1 U1.G18 U2.R7 U3.R7
/ZynqDDR/DDR_A12: R13.1 U1.H19 U2.N7 U3.N7
/ZynqDDR/DDR_A13: R32.1 U1.F19 U2.T3 U3.T3
/ZynqDDR/DDR_A14: R34.1 U1.G19 U2.T7 U3.T7
/ZynqDDR/DDR_BA0: R39.1 U1.L16 U2.M2 U3.M2
/ZynqDDR/DDR_BA1: R15.1 U1.L17 U2.N8 U3.N8
/ZynqDDR/DDR_BA2: R47.1 U1.M17 U2.M3 U3.M3
/ZynqDDR/DDR_CAS: R9.1 U1.P20 U2.K3 U3.K3
/ZynqDDR/DDR_CK_E: R42.1 U1.T19 U2.K9 U3.K9
/ZynqDDR/DDR_CK_N: R48.1 U1.N18 U2.K7 U3.K7
/ZynqDDR/DDR_CK_P: R48.2 U1.N19 U2.J7 U3.J7
/ZynqDDR/DDR_CS: R44.1 U1.P17 U2.L2 U3.L2
/ZynqDDR/DDR_DM0: U1.B22 U3.D3
/ZynqDDR/DDR_DM1: U1.H20 U3.E7
/ZynqDDR/DDR_DM2: U1.P22 U2.E7
/ZynqDDR/DDR_DM3: U1.AA21 U2.D3
/ZynqDDR/DDR_DQ0: U1.D22 U3.D7
/ZynqDDR/DDR_DQ1: U1.C20 U3.C8
/ZynqDDR/DDR_DQ2: U1.B21 U3.A7
/ZynqDDR/DDR_DQ3: U1.D20 U3.B8
/ZynqDDR/DDR_DQ4: U1.E20 U3.C3
/ZynqDDR/DDR_DQ5: U1.E22 U3.C2
/ZynqDDR/DDR_DQ6: U1.F21 U3.A3
/ZynqDDR/DDR_DQ7: U1.F22 U3.A2
/ZynqDDR/DDR_DQ8: U1.G21 U3.F7
/ZynqDDR/DDR_DQ9: U1.G22 U3.F8
/ZynqDDR/DDR_DQ10: U1.L22 U3.G2
/ZynqDDR/DDR_DQ11: U1.L21 U3.F2
/ZynqDDR/DDR_DQ12: U1.L20 U3.H3
/ZynqDDR/DDR_DQ13: U1.K22 U3.E3
/ZynqDDR/DDR_DQ14: U1.J22 U3.H8
/ZynqDDR/DDR_DQ15: U1.K20 U3.H7
/ZynqDDR/DDR_DQ16: U1.M22 U2.H7
/ZynqDDR/DDR_DQ17: U1.T20 U2.F2
/ZynqDDR/DDR_DQ18: U1.N20 U2.F7
/ZynqDDR/DDR_DQ19: U1.T22 U2.G2
/ZynqDDR/DDR_DQ20: U1.R20 U2.H3
/ZynqDDR/DDR_DQ21: U1.T21 U2.E3
/ZynqDDR/DDR_DQ22: U1.M21 U2.H8
/ZynqDDR/DDR_DQ23: U1.R22 U2.F8
/ZynqDDR/DDR_DQ24: U1.Y20 U2.A2
/ZynqDDR/DDR_DQ25: U1.U22 U2.B8
/ZynqDDR/DDR_DQ26: U1.AA22 U2.A3
/ZynqDDR/DDR_DQ27: U1.U21 U2.D7
/ZynqDDR/DDR_DQ28: U1.W22 U2.C2
/ZynqDDR/DDR_DQ29: U1.W20 U2.A7
/ZynqDDR/DDR_DQ30: U1.V20 U2.C8
/ZynqDDR/DDR_DQ31: U1.Y22 U2.C3
/ZynqDDR/DDR_DQS0_N: U1.D21 U3.B7
/ZynqDDR/DDR_DQS0_P: U1.C21 U3.C7
/ZynqDDR/DDR_DQS1_N: U1.J21 U3.G3
/ZynqDDR/DDR_DQS1_P: U1.H21 U3.F3
/ZynqDDR/DDR_DQS2_N: U1.P21 U2.G3
/ZynqDDR/DDR_DQS2_P: U1.N21 U2.F3
/ZynqDDR/DDR_DQS3_N: U1.W21 U2.B7
/ZynqDDR/DDR_DQS3_P: U1.V21 U2.C7
/ZynqDDR/DDR_ODT: R46.1 U1.P18 U2.K1 U3.K1
/ZynqDDR/DDR_RAS: R43.1 U1.R18 U2.J3 U3.J3
/ZynqDDR/DDR_RST: R49.1 U1.F20 U2.T2 U3.T2
/ZynqDDR/DDR_WE: R45.1 U1.R19 U2.L3 U3.L3
/ZynqPower/DDRVREF: U1.H16 U1.P16
/ZynqPower/MGTAVCC: C45.1 C46.1 C47.1 C48.1 C49.1 C245.1 FB38.2 U1.U4 U1.U6 U1.U8 U1.W5 U1.W9
/ZynqPower/MGTAVTT: C40.1 C41.1 C42.1 C43.1 C44.1 C246.1 FB37.2 U1.AA2 U1.AA4 U1.AA8 U1.AB1 U1.AB6 U1.Y7
/ZynqPower/PS_MIO_VREF_501: R69.2 R70.1 U1.F15
/ZynqPower/QBUCK_LP87524J1/SW0: L5.1 U6.10
/ZynqPower/QBUCK_LP87524J1/SW1: L6.1 U6.12
/ZynqPower/QBUCK_LP87524J1/SW2: L7.1 U6.25
/ZynqPower/QBUCK_LP87524J1/SW3: L8.1 U6.23
/ZynqPower/QBUCK_LP87524J/SW0: L1.1 U4.10
/ZynqPower/QBUCK_LP87524J/SW1: L2.1 U4.12
/ZynqPower/QBUCK_LP87524J/SW2: L3.1 U4.25
/ZynqPower/QBUCK_LP87524J/SW3: L4.1 U4.23
/ZynqPower/RAIL_1_EN: U4.7
/ZynqPower/RAIL_2_EN: U4.15
/ZynqPower/RAIL_3_EN: U4.2
/ZynqPower/RAIL_4_EN: U6.7
/ZynqPower/RAIL_5_EN: U6.15
